# Altium PCB MotorDriver.PcbDoc (part 1 of 2)
Units mm, origin at the board's own origin, x right, y up, seen from the top; angles counter-clockwise.
Board outline 188.1 x 187 mm, 4 copper layers (Top Layer, Layer 1, Layer 2, Bottom Layer), stack 0.603 mm thick; 58 components, 47 nets, 249 pads, 100 vias.
Unrouted connection lines stored in the file: 13.
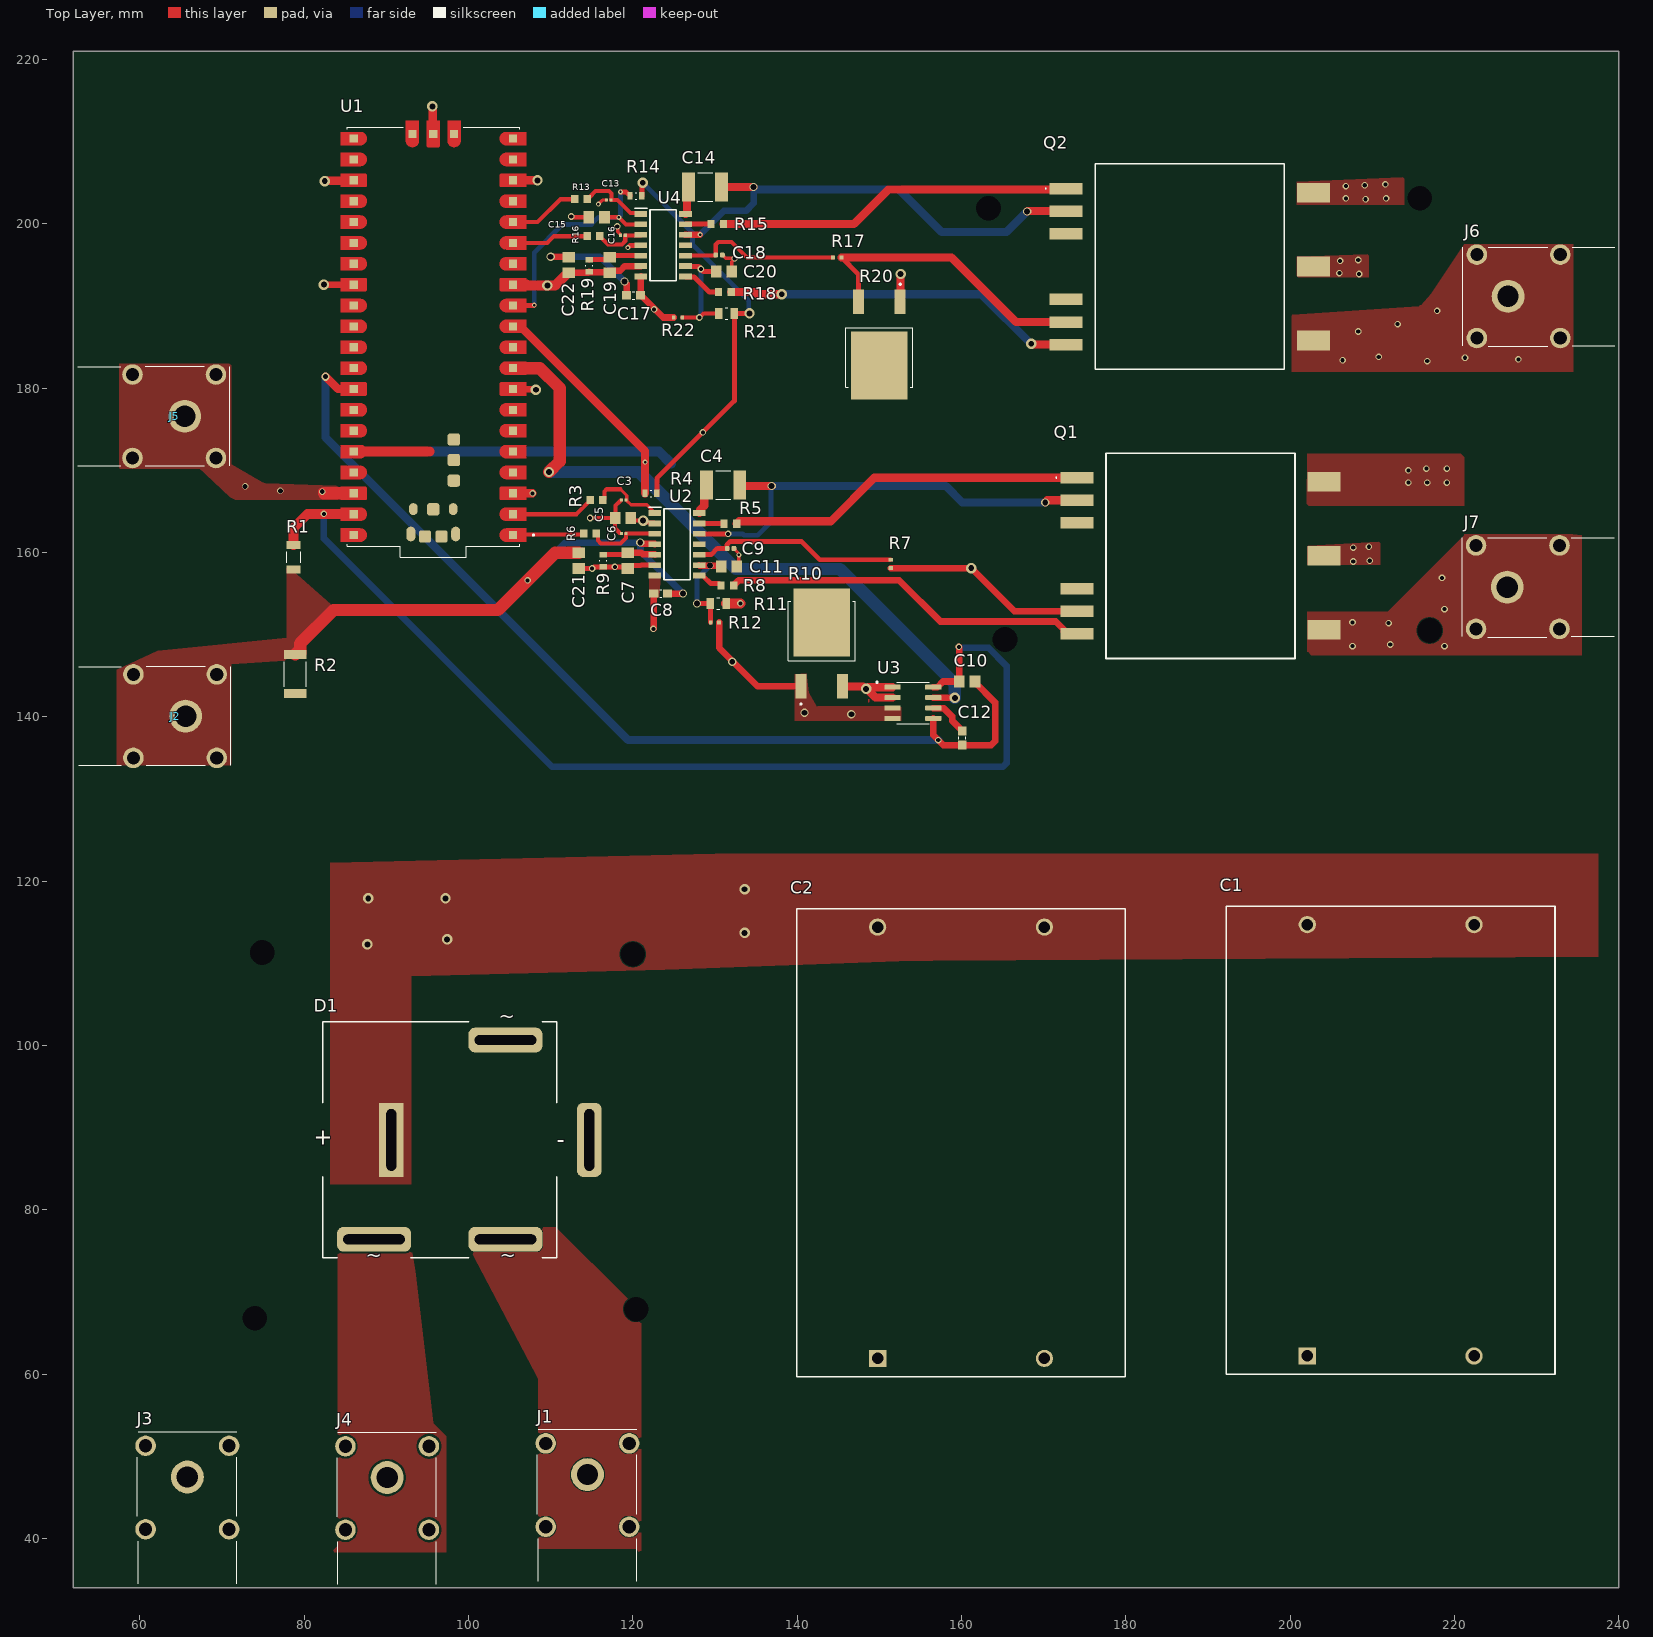
[diagram p0: Top Layer view]
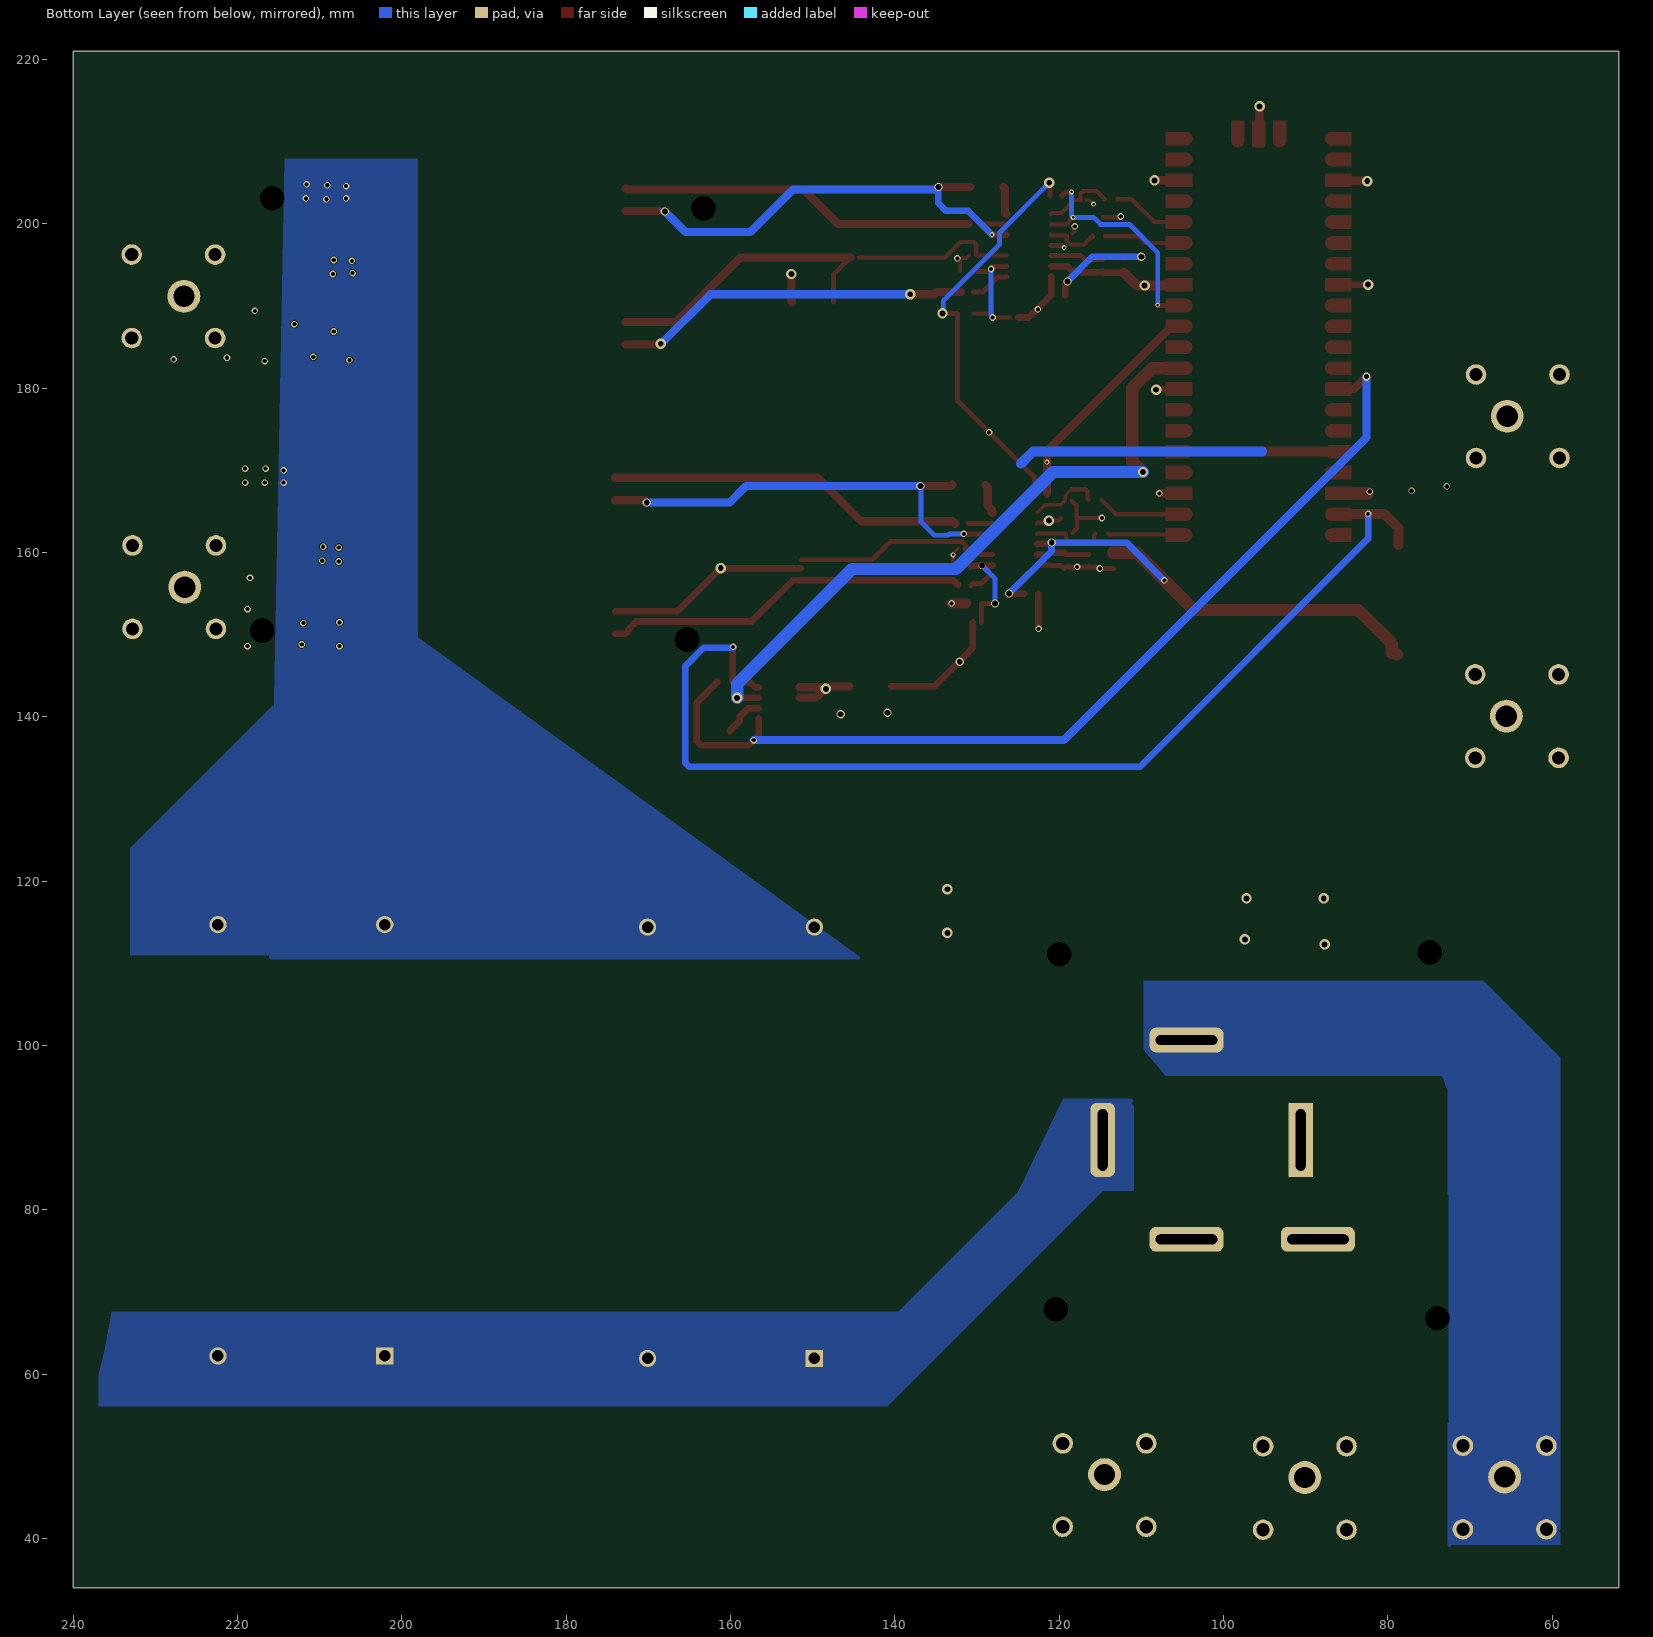
[diagram p1: Bottom Layer view, seen from below]
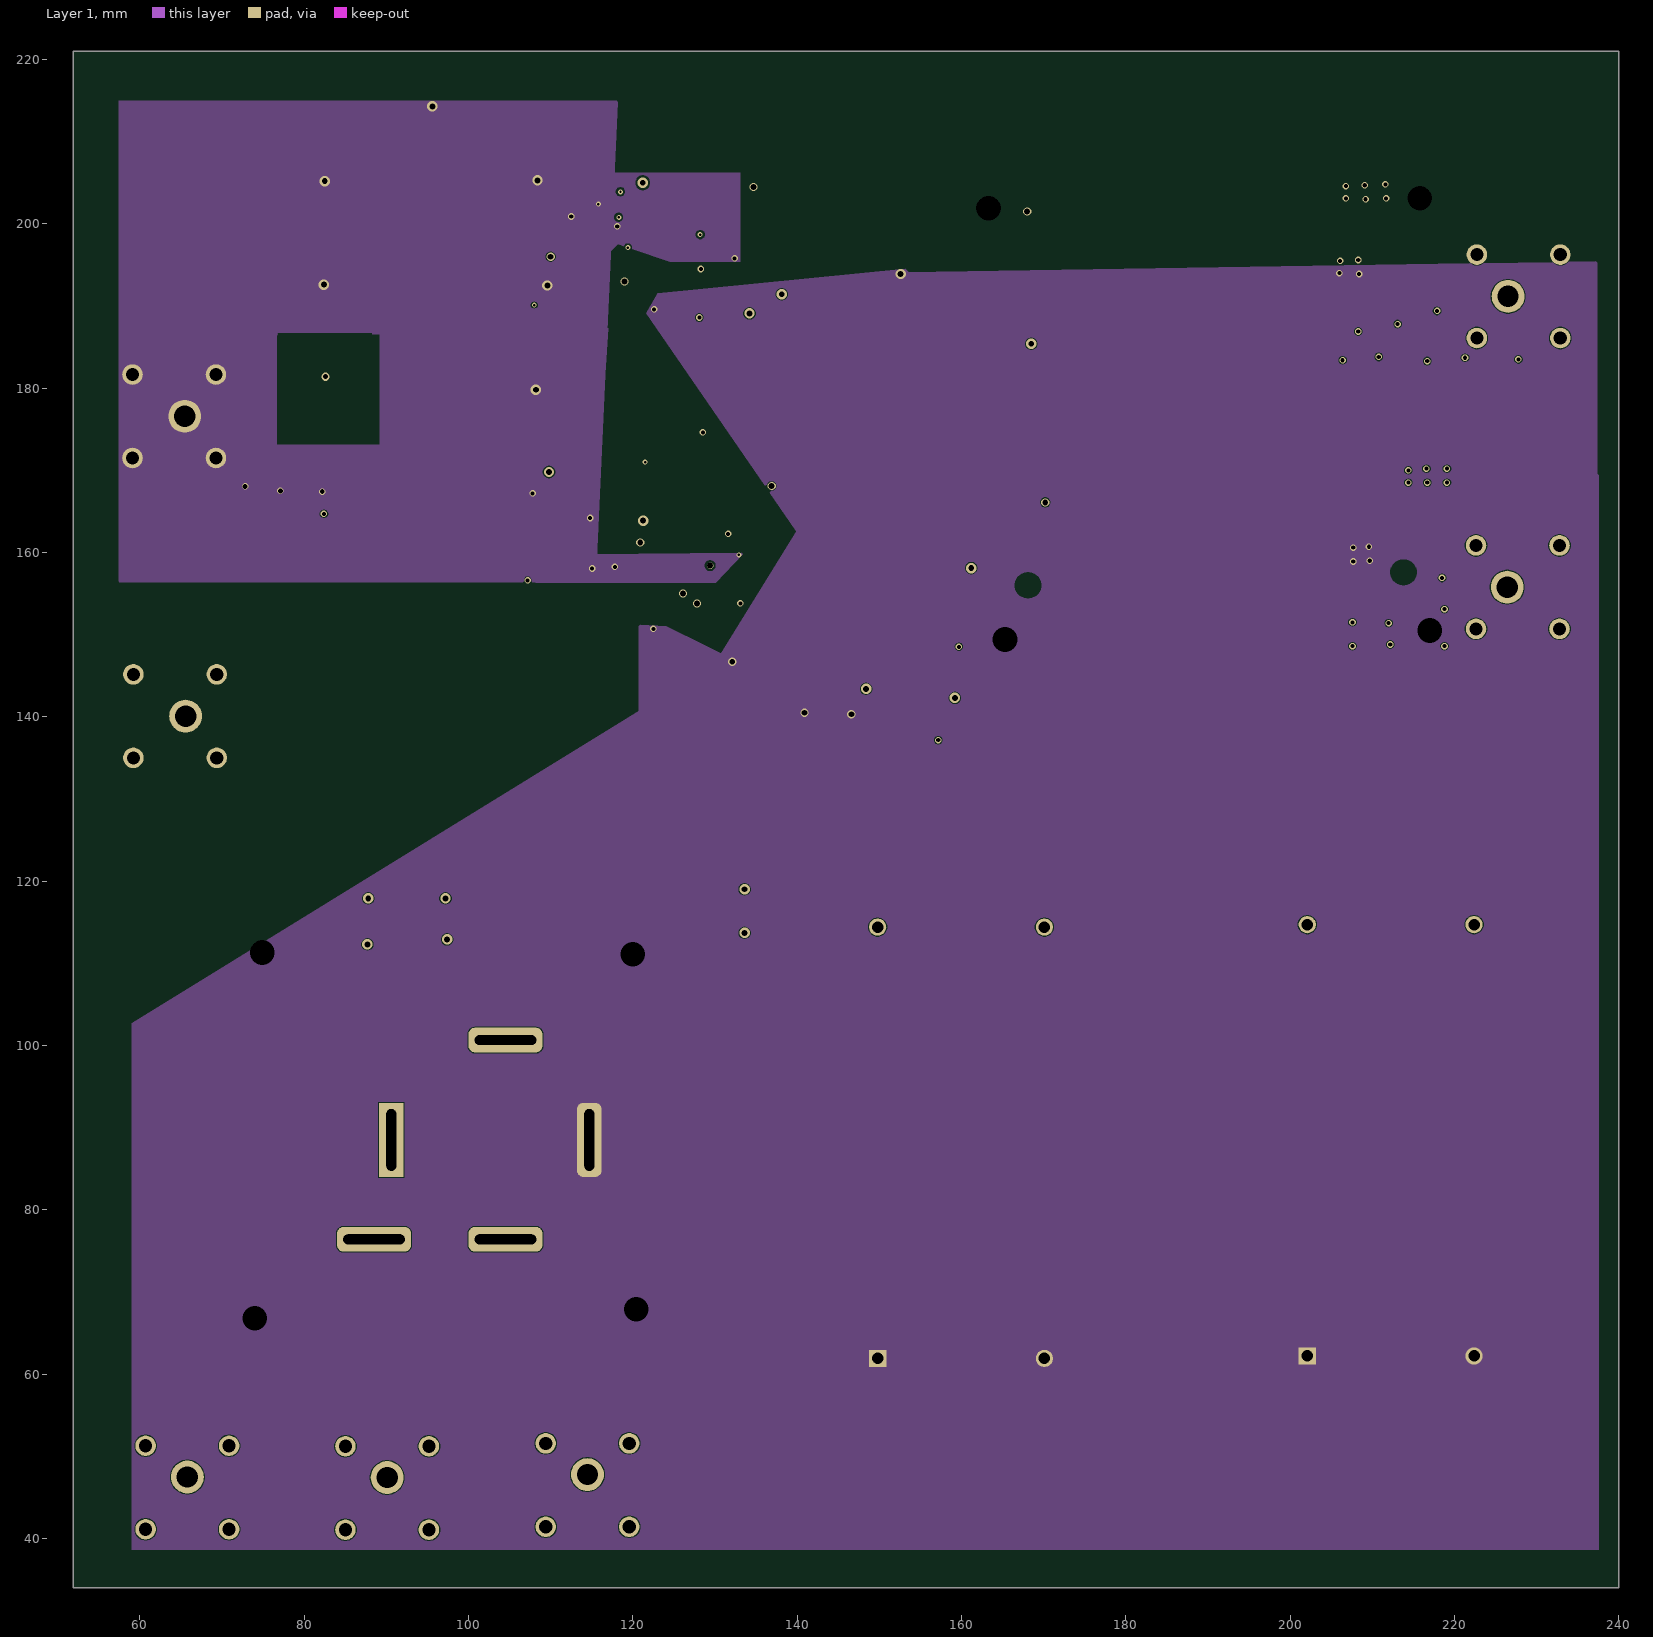
[diagram p2: Layer 1]
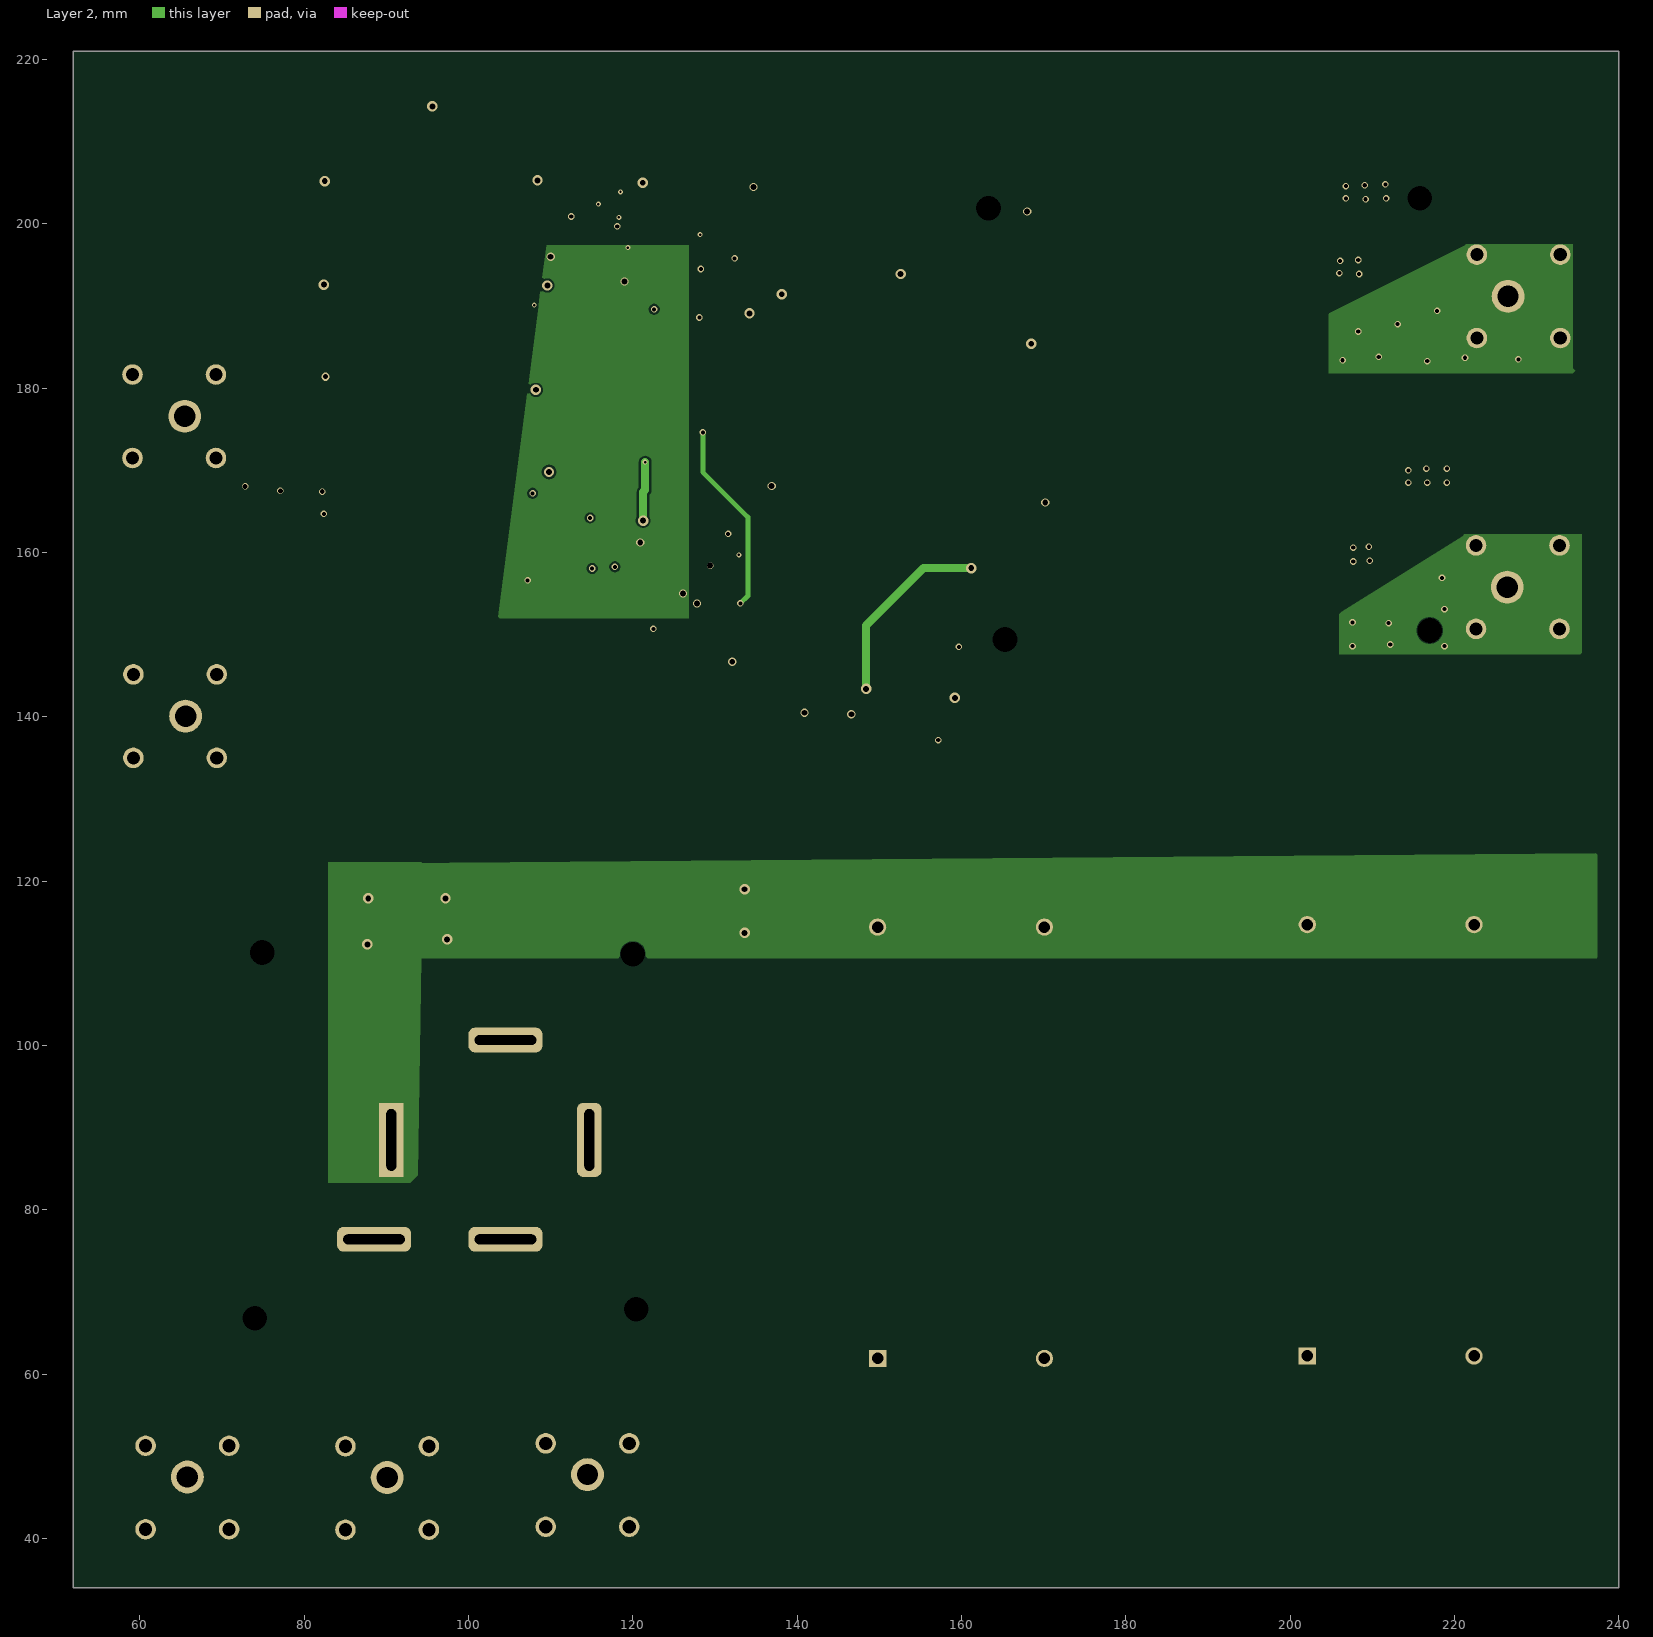
[diagram p3: Layer 2]
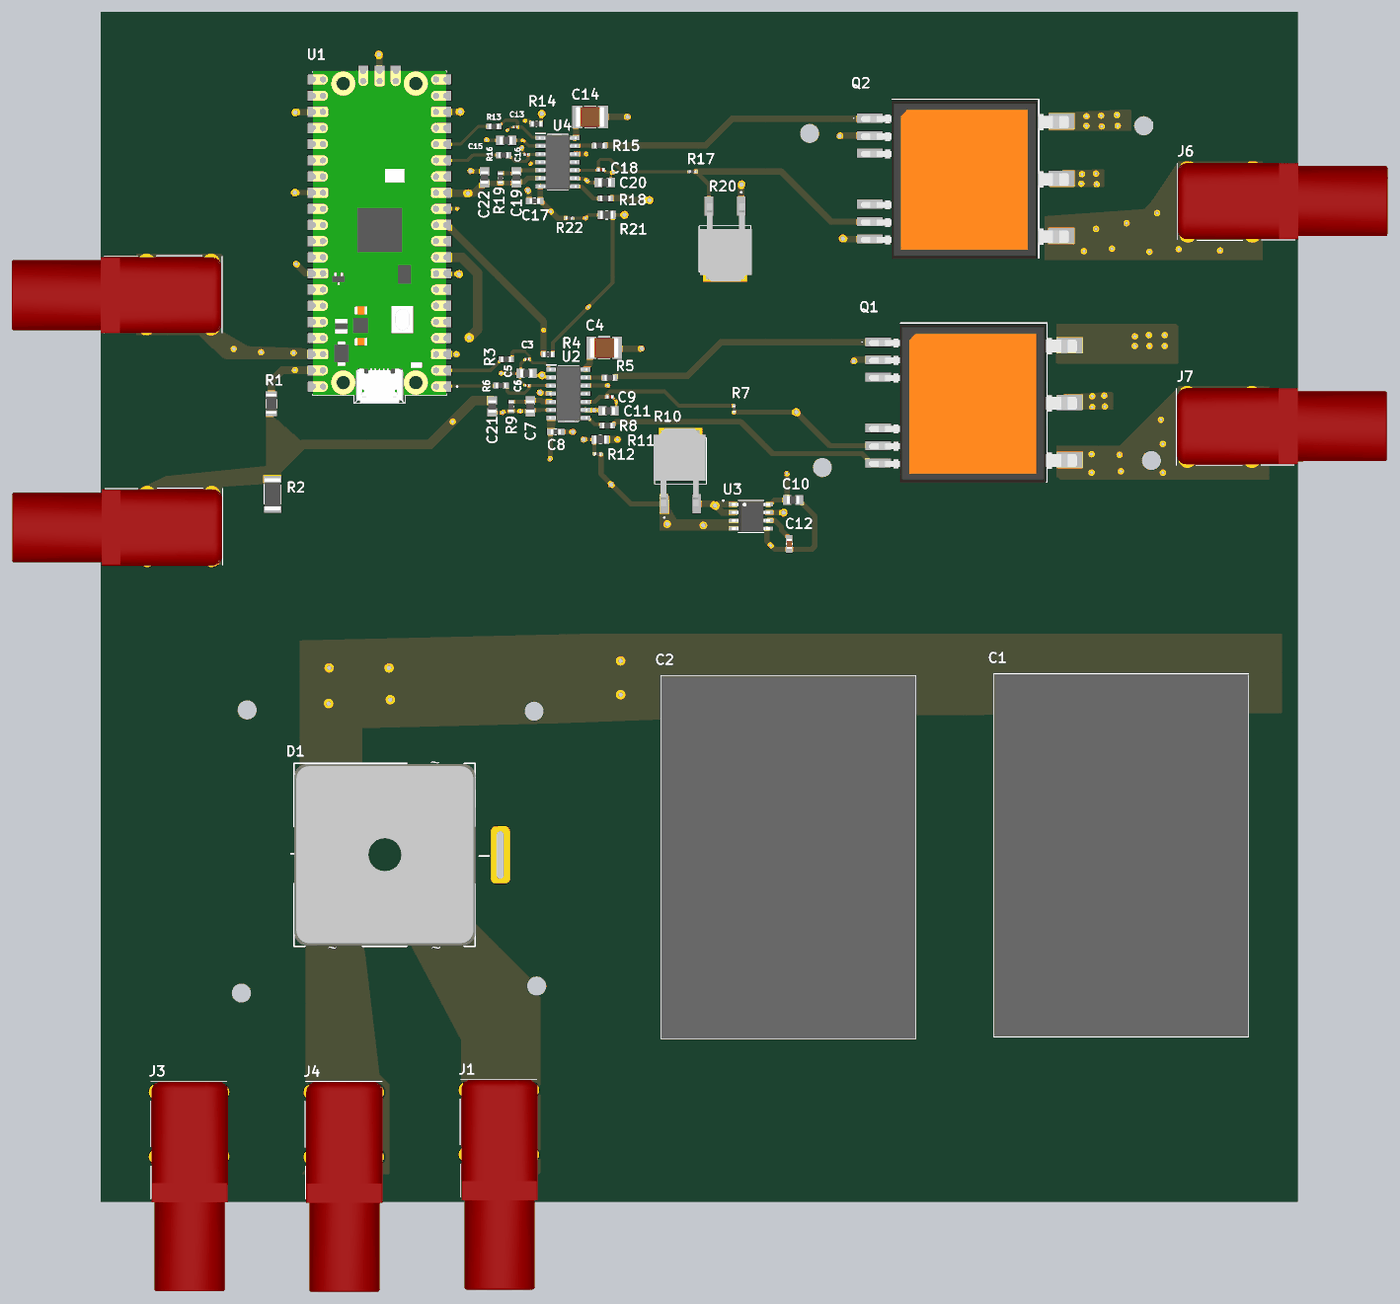
[diagram p5: 3D render of the assembled board from above, using the file's embedded part models]

## Layer stack, top to bottom
Top Solder: solder mask 0.0102, Solder Resist, Dk 3.5
Top Layer: signal copper 0.0356
Dielectric 2: prepreg 0.0711, PP-006, Dk 4.1
Layer 1: signal copper 0.035
Dielectric 1: dielectric 0.32, FR-4, Dk 4.8
Layer 2: signal copper 0.035
Dielectric 3: prepreg 0.0711, PP-006, Dk 4.1
Bottom Layer: signal copper 0.0356
Bottom Solder: solder mask 0.0102, Solder Resist, Dk 3.5

## Board outline
51.9,34 240,34 240,221 51.9,221

## Design rules (kind name [scope] priority, off if disabled: settings)
Clearance [All] p1: gap=0.1 ignorepadtopadclearanceinfootprint=FALSE
PolygonConnect [All] p1: connectstyle=Direct reliefconductorwidth=0.254 reliefentries=4 polygonreliefangle="90 Angle" airgapwidth=0.254
RoutingVias [All] p1: holewidth=0.711 width=1.27 viastyle="Through Hole" minholewidth=0.711 minwidth=1.27 maxholewidth=0.711 maxwidth=1.27
SolderMaskExpansion [All] p1: expansion=0.102 istentingtop=FALSE
SupplyNets "Schematic Supply Nets_10" [InNet('SGND')] p1: voltage=0.000
SupplyNets "Schematic Supply Nets_9" [InNet('12V')] p2: voltage=0.000
SupplyNets "Schematic Supply Nets_8" [InNet('15V')] p3: voltage=0.000
SupplyNets "Schematic Supply Nets_7" [InNet('3.3V')] p4: voltage=0.000
SupplyNets "Schematic Supply Nets_5" [InNet('AGND')] p5: voltage=0.000
SupplyNets "Schematic Supply Nets_4" [InNet('PGND')] p6: voltage=0.000
SupplyNets "Schematic Supply Nets_3" [InNet('Vc')] p7: voltage=0.000
SupplyNets "Schematic Supply Nets_2" [InNet('Va')] p8: voltage=0.000
SupplyNets "Schematic Supply Nets_1" [InNet('Vb')] p9: voltage=0.000
SupplyNets "Schematic Supply Nets" [InNet('5V')] p10: voltage=0.000
Width [All] p1: maxlimit=10 minlimit=0.254 preferedwidth=0.254
30 further rules are at their usual default settings.

## Components (designator, comment, footprint, x,y, rotation, side; value= is the part's Value field where it differs from the comment)
C1 "100uF" EZPV60107MTS 202.1,62.2 r90 top
C2 "100uF" EZPV60107MTS 149.8,61.9 r90 top
C3 "820pF" GRM0335C1E821JA01D 118.9,166.4 r0 top
C4 "100nF" C1812W104KDRACTU 131,168.2 r180 top
C5 "100nF" CC0805KRX7R9BB104 118.8,164.2 r0 top
C6 "820pF" GRM0335C1E821JA01D 118.9,162.3 r0 top
C7 "100nF" CC0805KRX7R9BB104 119.4,159 r90 top
C8 "1uF" CC0603KRX5R8BB105 123.4,155 r0 top
C9 "220pF" C0402C221K8RACTU 131.9,160.5 r180 top
C10 "100nF" CC0805KRX7R9BB104 160.7,144.3 r0 top
C11 "100nF" CC0805KRX7R9BB104 131.7,158.3 r180 top
C12 "1000pF" C0603C102K5RACTU 160.1,137.4 r90 top
C13 "820pF" GRM0335C1E821JA01D 117.081,202.9 r0 top
C14 "100nF" C1812W104KDRACTU 128.8,204.5 r180 top
C15 "100nF" CC0805KRX7R9BB104 115.6,200.8 r0 top
C16 "820pF" GRM0335C1E821JA01D 118.8,198.6 r0 top
C17 "1uF" CC0603KRX5R8BB105 120.1,191.3 r180 top
C18 "220pF" C0402C221K8RACTU 130.5,196.2 r180 top
C19 "100nF" CC0805KRX7R9BB104 117.2,195 r90 top
C20 "100nF" CC0805KRX7R9BB104 131.1,194.2 r180 top
C21 "100nF" CC0805KRX7R9BB104 113.4,159 r90 top
C22 "100nF" CC0805KRX7R9BB104 112.2,195 r90 top
D1 "DB3512" 3PhaseBridge 96.5,88.4 r0 top
J1 "FCR7350R" FCR7350 114.48,47.76 r0 top
J2 "FCR7350R" FCR7350 65.56,140.08 r270 top
J3 "FCR7350R" FCR7350 65.78,47.46 r0 top
J4 "FCR7350R" FCR7350 90.1,47.4 r0 top
J5 "FCR7350R" FCR7350 65.46,176.58 r270 top
J6 "FCR7350R" FCR7350 226.54,191.18 r90 top
J7 "FCR7350R" FCR7350 226.44,155.78 r90 top
Q1 "SH32N65DM6AG" SH32N65DM6AG 189.1,159.6 r180 top
Q2 "SH32N65DM6AG" SH32N65DM6AG 187.8,194.8 r180 top
R1 "100R" RQ73C2B100RBTD 78.7,159.42 r270 top
R2 "18R" CRGP2010F18R 78.9,145.2 r90 top
R3 "820R" RMCF0603FT820R 115.6,166.4 r0 top
R4 "33kR" ERA-3AEB333V 122.2,167.2 r0 top
R5 "10R" CRCW060310R0FKEAHP 131.88,163.5 r0 top
R6 "820R" RMCF0603FT820R 114.8,162.3 r0 top
R7 "10kR" RES_ERJ2RKF1002X 151.4,158.6 r270 top
R8 "10R" CRCW060310R0FKEAHP 131.5,156 r0 top
R9 "680kR" ERJ-3EKF6802V 116.4,159 r90 top
R10 "40mR" PWR163S-25-R040JE 143,148.9 r90 top
R11 "27kR" RC0805JR-0727KL 130.4,153.8 r180 top
R12 "10kR" RES_ERJ2RKF1002X 130,151.5 r0 top
R13 "820R" RMCF0603FT820R 113.7,203 r0 top
R14 "33kR" ERA-3AEB333V 120.375,203.4 r0 top
R15 "10R" CRCW060310R0FKEAHP 130.28,200 r0 top
R16 "820R" RMCF0603FT820R 115.2,198.5 r0 top
R17 "10kR" RES_ERJ2RKF1002X 144.9,195.9 r0 top
R18 "10R" CRCW060310R0FKEAHP 131.2,191.7 r0 top
R19 "680kR" ERJ-3EKF6802V 114.7,194.9 r90 top
R20 "40mR" PWR163S-25-R040JE 150,185.3 r270 top
R21 "27kR" RC0805JR-0727KL 131.4,189.1 r180 top
R22 "10kR" RES_ERJ2RKF1002X 125.5,188.6 r180 top
U1 "SC0915" MODULE_SC0915 95.71,186.25 r180 top
U2 "L6491D" SOIC127P600X175-14N 125.4,161 r0 top
U3 "ACS712ELCTR30AT" currentsensor 154.1,141.7 r0 top
U4 "L6491D" SOIC127P600X175-14N 123.7,197.4 r0 top

## Footprints (in the part's own frame and the unit in brackets; to place one, negate y for a bottom-side part, rotate by r counter-clockwise, add the part's x,y. Pads: shape width x height; smd on the part's side, far side on the other; paste and mask are expansions set on the pad)
3PhaseBridge [mm]
  rrect50% 9x3 hole 1.2 slot 7.5 at 0 deg: 1(8,12.25) 2(-8,-12) 3(8,-12)
  rect 3x9 hole 7.5 slot 1.2 at 0 deg: 4(-5.9,0.1)
  rrect50% 3x9 hole 7.5 slot 1.2 at 0 deg: 5(18.2,0.1)
  silkscreen extent -14.25,-14.25 14.25,14.5, body extent -14.2,-14.1 14.3,14.4, height 13.5
C0402C221K8RACTU [mm]
  rrect53% 0.59x0.6 smd: 1(-0.405,0) 2(0.405,0)
  body extent -0.49,-0.26 0.51,0.24, height 0.55
C0603C102K5RACTU [mm]
  rect 1.1x1 smd: 1(-0.85,0) 2(0.85,0)
  silkscreen extent -0.15,-0.45 0.15,0.45, body extent -0.8,-0.4 0.8,0.4, height 0.87
C1812W104KDRACTU [mm]
  rect 1.57x3.51 smd: 1(-2.017,0) 2(2.017,0)
  silkscreen extent -0.91,-1.75 0.91,1.75, body extent -2.25,-1.6 2.25,1.6, height 1.85
CC0603KRX5R8BB105 [mm]
  rect 1.1x1 smd: 1(-0.85,0) 2(0.85,0)
  silkscreen extent -0.15,-0.45 0.15,0.45, body extent -0.81,-0.4 0.79,0.4, height 0.9
CC0805KRX7R9BB104 [mm]
  rect 1.3x1.5 smd: 1(-0.95,0) 2(0.95,0)
  body extent -1,-0.63 1,0.63, height 0.7
CRCW060310R0FKEAHP [mm]
  rect 0.87x0.98 smd: 1(-0.78,0) 2(0.78,0)
  body extent -0.8,-0.43 0.8,0.43, height 0.55
CRGP2010F18R [mm]
  rect 1.07x2.72 smd: 1(-2.38,0) 2(2.38,0)
  silkscreen extent -1.52,-1.35 1.52,1.35, body extent -2.5,-1.25 2.5,1.25, height 0.65
currentsensor [mm]
  rrect25% 1.97x0.6 smd: 1(-2.475,1.905) 2(-2.475,0.635) 3(-2.475,-0.635) 4(-2.475,-1.905) 5(2.475,-1.905) 6(2.475,-0.635) 7(2.475,0.635) 8(2.475,1.905)
  silkscreen extent -4.47,-2.53 2,2.6, body extent -3,-2.45 3,2.45, height 1.75
ERA-3AEB333V [mm]
  rect 0.65x0.9 smd: 1(-0.725,0) 2(0.725,0)
  silkscreen extent -0.08,-0.4 0.08,0.4, body extent -0.8,-0.4 0.8,0.4, height 0.45
ERJ-3EKF6802V [mm]
  rect 0.65x0.9 smd: 1(-0.725,0) 2(0.725,0)
  silkscreen extent -0.08,-0.4 0.08,0.4, body extent -0.8,-0.4 0.8,0.4, height 0.45
EZPV60107MTS [mm]
  rect 2.1x2.1 hole 1.4: 1(0,0)
  round 2.1 hole 1.4: 2(52.5,0) 3(0,-20.3) 4(52.5,-20.3)
  silkscreen extent -2.25,-30.15 54.75,9.85, body extent -2.25,-30.15 54.75,9.85, height 52.6
FCR7350 [mm]
  round 2.5 hole 1.6: P$1(-5.08,-6.36) P$1(-5.08,3.8) P$1(5.08,-6.36) P$1(5.08,3.8)
  round 4 hole 2.6: P$1(0,0)
  silkscreen extent -6.1,-13 6,5.5, body extent -5.9,-27.55 6.1,5.45, height 11.5
GRM0335C1E821JA01D [mm]
  rect 0.38x0.4 smd: 1(-0.281,0) 2(0.281,0)
  body extent -0.3,-0.15 0.3,0.15, height 0.33
MODULE_SC0915 [mm]
  rect 1x1 smd paste-1 mask+0: 1(-9.69,24.13) 2(-9.69,21.59) 3(-9.69,19.05) 4(-9.69,16.51) 5(-9.69,13.97) 6(-9.69,11.43) 7(-9.69,8.89) 8(-9.69,6.35) 9(-9.69,3.81) 10(-9.69,1.27) 11(-9.69,-1.27) 12(-9.69,-3.81) 13(-9.69,-6.35) 14(-9.69,-8.89) 15(-9.69,-11.43) 16(-9.69,-13.97) 17(-9.69,-16.51) 18(-9.69,-19.05) 19(-9.69,-21.59) 20(-9.69,-24.13) 21(9.69,-24.13) 22(9.69,-21.59) 23(9.69,-19.05) 24(9.69,-16.51) 25(9.69,-13.97) 26(9.69,-11.43) 27(9.69,-8.89) 28(9.69,-6.35) 29(9.69,-3.81) 30(9.69,-1.27) 31(9.69,1.27) 32(9.69,3.81) 33(9.69,6.35) 34(9.69,8.89) 35(9.69,11.43) 36(9.69,13.97) 37(9.69,16.51) 38(9.69,19.05) 39(9.69,21.59) 40(9.69,24.13) D1(-2.54,-24.7) D2(0,-24.7) D3(2.54,-24.7)
  oval 1.1x1.8 smd: A(-2.725,24) B(2.725,24)
  oval 1.05x1.45 smd: C(-2.425,20.97) D(2.425,20.97)
  rrect40% 1.5x1.5 smd: TP1(0,21) TP2(1,24.3) TP3(-1,24.3) TP4(-2.5,17.5) TP5(-2.5,15) TP6(-2.5,12.5)
  Top Layer region: -8.848,24.929 -8.806,24.926 -8.765,24.92 -8.724,24.913 -8.683,24.903 -8.643,24.891 -8.603,24.877 -8.565,24.861 -8.527,24.843 -8.49,24.823 -8.454,24.801 -8.42,24.777 -8.387,24.752 -8.355,24.725 -8.324,24.696 -8.295,24.665 -8.268,24.633 -8.243,24.6 -8.219,24.566 -8.197,24.53 -8.177,24.493 -8.159,24.455 -8.143,24.417 -8.129,24.377 -8.117,24.337 -8.107,24.296 -8.1,24.255 -8.094,24.214 -8.091,24.172 -8.09,24.13 -8.091,24.088 -8.094,24.046 -8.1,24.005 -8.107,23.964 -8.117,23.923 -8.129,23.883 -8.143,23.843 -8.159,23.805 -8.177,23.767 -8.197,23.73 -8.219,23.694 -8.243,23.66 -8.268,23.627 -8.295,23.595 -8.324,23.564 -8.355,23.535 -8.387,23.508 -8.42,23.483 -8.454,23.459 -8.49,23.437 -8.527,23.417 -8.565,23.399 -8.603,23.383 -8.643,23.369 -8.683,23.357 -8.724,23.347 -8.765,23.34 -8.806,23.334 -8.848,23.331 -8.89,23.33 -11.29,23.33 -11.29,24.93 -8.89,24.93
  Top Layer region: 2.582,-23.101 2.624,-23.104 2.665,-23.11 2.706,-23.117 2.747,-23.127 2.787,-23.139 2.827,-23.153 2.865,-23.169 2.903,-23.187 2.94,-23.207 2.976,-23.229 3.01,-23.253 3.043,-23.278 3.075,-23.305 3.106,-23.334 3.135,-23.365 3.162,-23.397 3.187,-23.43 3.211,-23.464 3.233,-23.5 3.253,-23.537 3.271,-23.575 3.287,-23.613 3.301,-23.653 3.313,-23.693 3.323,-23.734 3.33,-23.775 3.336,-23.816 3.339,-23.858 3.34,-23.9 3.34,-26.3 1.74,-26.3 1.74,-23.9 1.741,-23.858 1.744,-23.816 1.75,-23.775 1.757,-23.734 1.767,-23.693 1.779,-23.653 1.793,-23.613 1.809,-23.575 1.827,-23.537 1.847,-23.5 1.869,-23.464 1.893,-23.43 1.918,-23.397 1.945,-23.365 1.974,-23.334 2.005,-23.305 2.037,-23.278 2.07,-23.253 2.104,-23.229 2.14,-23.207 2.177,-23.187 2.215,-23.169 2.253,-23.153 2.293,-23.139 2.333,-23.127 2.374,-23.117 2.415,-23.11 2.456,-23.104 2.498,-23.101 2.54,-23.1
  Top Layer region: 0.621,-23.101 0.631,-23.102 0.642,-23.104 0.652,-23.107 0.662,-23.11 0.672,-23.113 0.681,-23.117 0.691,-23.122 0.7,-23.127 0.709,-23.132 0.718,-23.138 0.726,-23.145 0.734,-23.151 0.741,-23.159 0.749,-23.166 0.755,-23.174 0.762,-23.182 0.768,-23.191 0.773,-23.2 0.778,-23.209 0.783,-23.219 0.787,-23.228 0.79,-23.238 0.793,-23.248 0.796,-23.258 0.798,-23.269 0.799,-23.279 0.8,-23.29 0.8,-23.3 0.8,-26.3 -0.8,-26.3 -0.8,-23.3 -0.8,-23.29 -0.799,-23.279 -0.798,-23.269 -0.796,-23.258 -0.793,-23.248 -0.79,-23.238 -0.787,-23.228 -0.783,-23.219 -0.778,-23.209 -0.773,-23.2 -0.768,-23.191 -0.762,-23.182 -0.755,-23.174 -0.749,-23.166 -0.741,-23.159 -0.734,-23.151 -0.726,-23.145 -0.718,-23.138 -0.709,-23.132 -0.7,-23.127 -0.691,-23.122 -0.681,-23.117 -0.672,-23.113 -0.662,-23.11 -0.652,-23.107 -0.642,-23.104 -0.631,-23.102 -0.621,-23.101 -0.61,-23.1 0.61,-23.1